# Altium PCB Stm32_pcb.PcbDoc (continued)
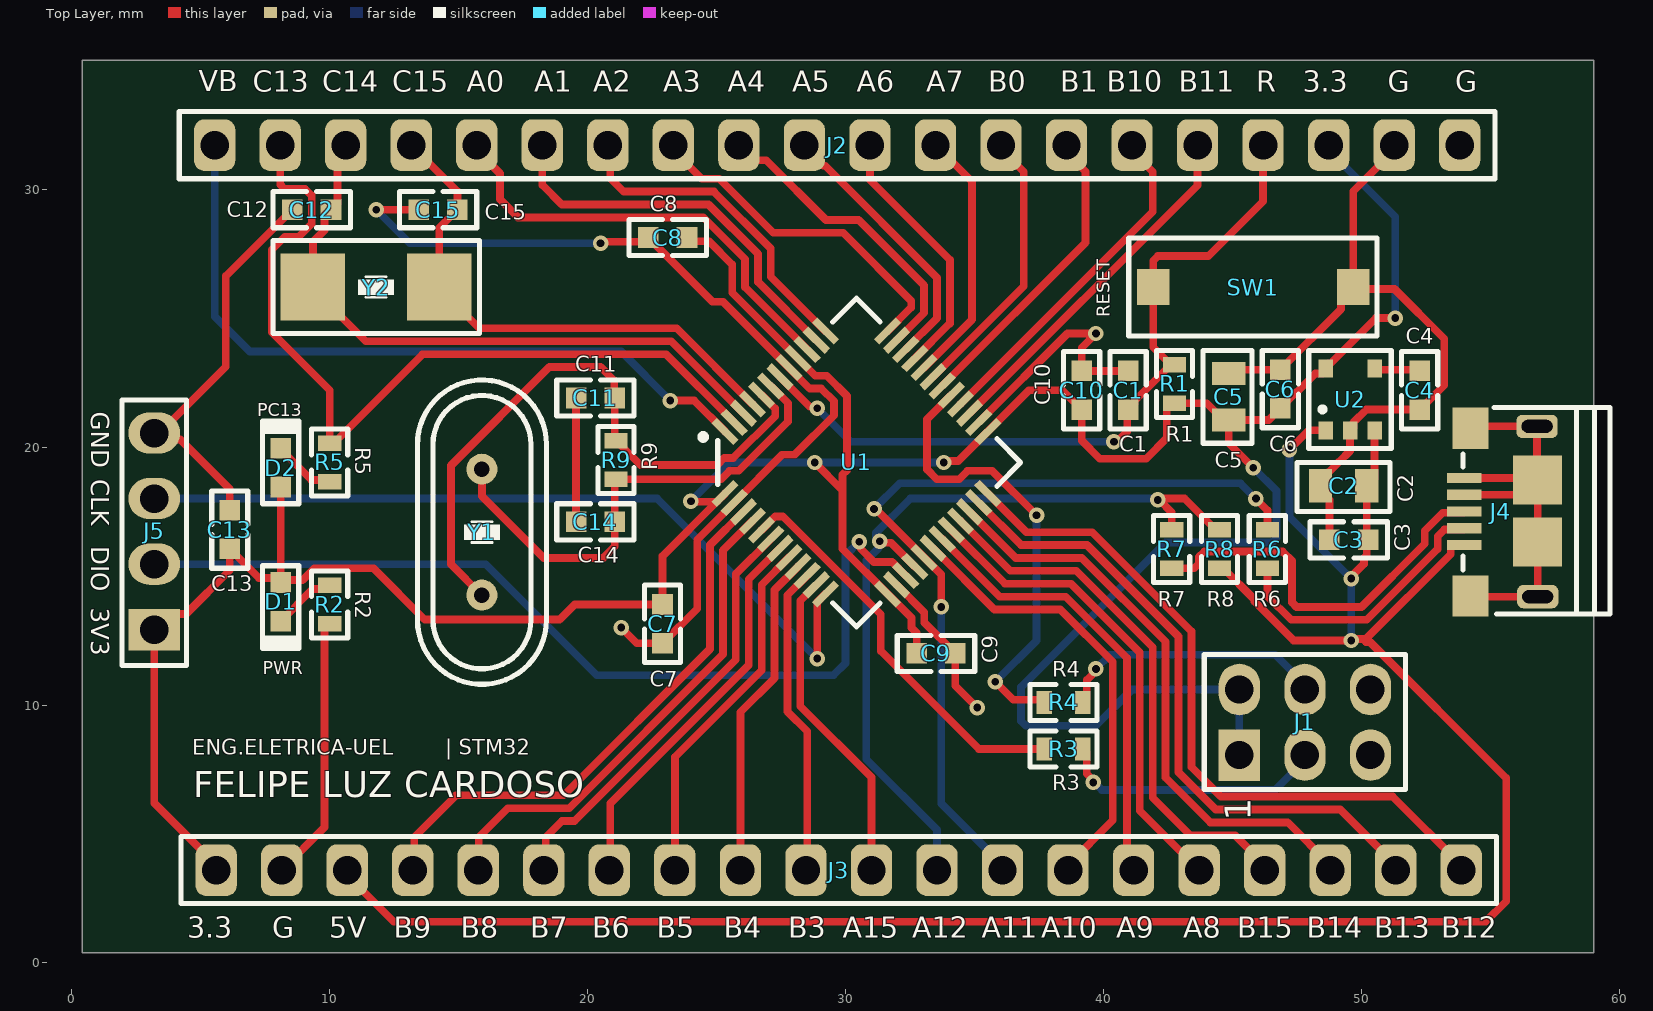
[diagram p0: Top Layer view]
## Part data (continued)
J5: library part HDR_1x4_2.54mm, "Conn Unshrouded Header HDR 4 POS 2.54mm Solder ST Top Entry Thru-Hole T/R", Color=Black, Current Rating=3A, Insulation Resistance=5GR, Manufacturer="Amphenol ICC / FCI", Manufacturer Part Number=77311-462K04LF, Max Operating Temperature=125°C, Max Voltage Rating (AC)=1.5kV, Min Operating Temperature=-65°C, Package Quantity=1400, Category="Headers and Wire Housings", ComponentLink1Description=https://datasheet.ciiva.com/739/77311-739277.pdf?src-supplier=Digi-Key, ComponentLink1URL=https://datasheet.ciiva.com/739/77311-739277.pdf?src-supplier=Digi-Key, ComponentLink2Description=https://datasheet.ciiva.com/739/77311-739280.pdf?src-supplier=Digi-Key, ComponentLink2URL=https://datasheet.ciiva.com/739/77311-739280.pdf?src-supplier=Digi-Key, ComponentLink3Description=https://datasheet.ciiva.com/10147/77311-10147511.pdf?src-supplier=Avnet, ComponentLink3URL=https://datasheet.ciiva.com/10147/77311-10147511.pdf?src-supplier=Avnet, Connector Type="Male Pin", Contact Gender=Male, Contact Material=Bronze, Contact Mating Length=0.531inch, Contact Plating=Tin, Contact Post Length=3.05mm, Contact Type="Male Pin", Depth=2.4mm, Gender=Male, Housing Color=Black, Housing Material=Thermoplastic, Lead Free="Lead Free", Length=10.16mm, Mount="Through Hole", Number of Contacts=4, Number of Positions=4, Number of Rows=1, Orientation=Straight, Packaging="Tape and Reel", Pitch=2.54mm, Radiation Hardening=No, RoHS=Yes, Series="BERGSTIK®, MezzSelect™, Basics+", Supplier 1="Arrow Electronics", Supplier Part Number 1=77311-462K04LF, Termination=Solder, Voltage Rating=1.5kV
R1: library part R_0603_10K, "Res Thin Film 0603 10K Ohm 0.5% 0.1W(1/10W) ±50ppm/C Epoxy SMD T/R", Case Code (Imperial)=0603, Case Code (Metric)=1608, Manufacturer=Yageo, Manufacturer Part Number=RT0603DRE0710KL, Max Operating Temperature=125°C, Max Power Dissipation=100mW, Min Operating Temperature=-55°C, Package Quantity=5000, Resistance=10kR, Resistor Type="Thin Film", Supplier Part Number 1=YAG2318CT-ND, Temperature Coefficient=50ppm/°C, Tolerance=0.5%, Voltage Rating=75V, Voltage Rating (DC)=50V, Case/Package=0603, Category="Chip SMD Resistors", ComponentLink1Description=https://datasheet.ciiva.com/2565/pyu-rt-1-to-0-05-rohs-l-5-2565939.pdf?src-supplier=Digi-Key, ComponentLink1URL=https://datasheet.ciiva.com/2565/pyu-rt-1-to-0-05-rohs-l-5-2565939.pdf?src-supplier=Digi-Key, Construction=Rectangular, Depth=0.8mm, Features="Moisture Resistant", Height=0.022inch, Lead Free="Lead Free", Length=0.063inch, Military Standard=Not, Number of Terminations=2, Packaging="Tape and Reel", Power Rating=100mW, Pricing 1="1=0,11000, 10=0,09600, 100=0,03700, 1000=0,01626, 2500=0,01404 (USD)", RoHS=Yes, RoHS Compliant=Yes, Series=RT, Size Code=0603, Stock 1=494, Supplier 1=Digi-Key, Termination=SMD/SMT, Width=0.031inch
R2 R5: library part R_0603_510r, "Res Thick Film 0603 510 Ohm 1% 1/10W 100ppm/C Molded SMD Paper T/R", Case Code (Imperial)=0603, Case Code (Metric)=1608, Manufacturer=Yageo, Manufacturer Part Number=RC0603FR-07510RL, Max Operating Temperature=155°C, Max Power Dissipation=100mW, Min Operating Temperature=-55°C, Resistance=510R, Resistance Tolerance=1%, Resistor Type="Thick Film", Supplier Part Number 1=311-510HRCT-ND, Temperature Coefficient=100ppm/°C, Voltage Rating=75V, Voltage Rating (DC)=50V, Case/Package=0603, Category="Chip SMD Resistors", ComponentLink1Description=https://datasheet.ciiva.com/11808/0900766b80f96399-11808268.pdf?src-supplier=RSComponents, ComponentLink1URL=https://datasheet.ciiva.com/11808/0900766b80f96399-11808268.pdf?src-supplier=RSComponents, ComponentLink2Description=https://datasheet.ciiva.com/46395/443971-46395013.pdf?src-supplier=Element14, ComponentLink2URL=https://datasheet.ciiva.com/46395/443971-46395013.pdf?src-supplier=Element14, ComponentLink3Description=https://datasheet.ciiva.com/8883/pyu-rc0603-51-rohs-l-4-8883078.pdf?src-supplier=Avnet, ComponentLink3URL=https://datasheet.ciiva.com/8883/pyu-rc0603-51-rohs-l-4-8883078.pdf?src-supplier=Avnet, Construction=Rectangular, Contact Plating=Tin,Matte, Depth=0.8mm, Features="Moisture Resistant", Height=0.45mm, Lead Free="Lead Free", Length=1.6mm, Military Standard=Not, Number of Pins=2, Number of Terminations=2, Packaging="Tape and Reel", Power Rating=100mW, Pricing 1="1=0,10000, 10=0,02300, 100=0,00930, 1000=0,00417, 2500=0,00362 (USD)", REACH SVHC="No SVHC", RoHS=Yes, RoHS Compliant=Yes, Series=RC, Size Code=0603, Stock 1=1855476, Supplier 1=Digi-Key, Technology="THICK FILM", Termination=SMD/SMT, Tolerance=1%, Weight=7.1E-05oz, Width=0.8mm
R3 R4: library part R_0603_100K, "RES SMD 100K OHM 1% 1/10W 0603", Case Code (Imperial)=0603, Case Code (Metric)=1608, Manufacturer=Yageo, Manufacturer Part Number=RC0603FR-07100KL, Max Operating Temperature=155°C, Max Power Dissipation=100mW, Min Operating Temperature=-55°C, Resistance=100kR, Resistance Tolerance=1%, Resistor Type="Thick Film", Supplier Part Number 1=311-100KHRCT-ND, Temperature Coefficient=100ppm/°C, Voltage Rating=50V, Working Voltage=75V, Case/Package=0603, Category="Chip SMD Resistors", ComponentLink1Description=https://datasheet.ciiva.com/11808/0900766b80f96399-11808107.pdf?src-supplier=RSComponents, ComponentLink1URL=https://datasheet.ciiva.com/11808/0900766b80f96399-11808107.pdf?src-supplier=RSComponents, ComponentLink2Description=https://datasheet.ciiva.com/7983/443971-7983593.pdf?src-supplier=Element14, ComponentLink2URL=https://datasheet.ciiva.com/7983/443971-7983593.pdf?src-supplier=Element14, ComponentLink3Description=https://datasheet.ciiva.com/22747/443971-22747516.pdf?src-supplier=Element14, ComponentLink3URL=https://datasheet.ciiva.com/22747/443971-22747516.pdf?src-supplier=Element14, ComponentLink4Description=https://datasheet.ciiva.com/46440/1868787-46440889.pdf?src-supplier=Element14, ComponentLink4URL=https://datasheet.ciiva.com/46440/1868787-46440889.pdf?src-supplier=Element14, ComponentLink5Description=https://datasheet.ciiva.com/7746/1738695-7746235.pdf?src-supplier=Element14, ComponentLink5URL=https://datasheet.ciiva.com/7746/1738695-7746235.pdf?src-supplier=Element14, ComponentLink6Description=https://datasheet.ciiva.com/7746/1738695-7746234.pdf?src-supplier=Element14, ComponentLink6URL=https://datasheet.ciiva.com/7746/1738695-7746234.pdf?src-supplier=Element14, Construction=Rectangular, Depth=0.8mm, Features="Moisture Resistant", Height=0.45mm, Lead Free="Lead Free", Length=1.6mm, Military Standard=Not, Number of Pins=2, Number of Terminations=2, Packaging="Tape and Reel", Power Rating=100mW, Pricing 1="1=0,10000, 10=0,02300, 100=0,00930, 1000=0,00417, 2500=0,00362 (USD)", REACH SVHC="No SVHC", RoHS=Yes, RoHS Compliant=Yes, Series=RC, Stock 1=18667121, Supplier 1=Digi-Key, Technology="THICK FILM", Termination=SMD/SMT, Tolerance=1%, Voltage Rating (DC)=50V, Width=0.8mm
R6 R7: library part R_0603_20r, "Res Thick Film 0603 20 Ohm 1% 0.1W(1/10W) ±100ppm/C Pad SMD T/R", Case Code (Imperial)=0603, Case Code (Metric)=1608, Manufacturer=Yageo, Manufacturer Part Number=RC0603FR-0720RL, Max Operating Temperature=155°C, Max Power Dissipation=100mW, Min Operating Temperature=-55°C, Package Quantity=1, Resistance=20R, Resistance Tolerance=1%, Resistor Type="Thick Film", Supplier Part Number 1=311-20.0HRCT-ND, Temperature Coefficient=100ppm/°C, Voltage Rating=50V, Working Voltage=75V, Case/Package=0603, Category="Chip SMD Resistors", ComponentLink1Description=https://datasheet.ciiva.com/11819/0900766b80f96399-11819290.pdf?src-supplier=RSComponents, ComponentLink1URL=https://datasheet.ciiva.com/11819/0900766b80f96399-11819290.pdf?src-supplier=RSComponents, ComponentLink2Description=https://datasheet.ciiva.com/46395/443971-46395031.pdf?src-supplier=Element14, ComponentLink2URL=https://datasheet.ciiva.com/46395/443971-46395031.pdf?src-supplier=Element14, ComponentLink3Description=https://datasheet.ciiva.com/2454/pyu-r-int-thick-7-2454028.pdf?src-supplier=Digi-Key, ComponentLink3URL=https://datasheet.ciiva.com/2454/pyu-r-int-thick-7-2454028.pdf?src-supplier=Digi-Key, ComponentLink4Description=https://datasheet.ciiva.com/2454/pyu-r-int-thick-7-2454029.pdf?src-supplier=Digi-Key, ComponentLink4URL=https://datasheet.ciiva.com/2454/pyu-r-int-thick-7-2454029.pdf?src-supplier=Digi-Key, ComponentLink5Description=https://datasheet.ciiva.com/2454/pyu-r-int-thick-7-2454027.pdf?src-supplier=Digi-Key, ComponentLink5URL=https://datasheet.ciiva.com/2454/pyu-r-int-thick-7-2454027.pdf?src-supplier=Digi-Key, ComponentLink6Description=https://datasheet.ciiva.com/12557/rc0603-272842-12557941.pdf?src-supplier=Mouser, ComponentLink6URL=https://datasheet.ciiva.com/12557/rc0603-272842-12557941.pdf?src-supplier=Mouser, ComponentLink7Description=https://datasheet.ciiva.com/15189/getdatasheetpartid-324013-15189653.pdf?src-supplier=Verical, ComponentLink7URL=https://datasheet.ciiva.com/15189/getdatasheetpartid-324013-15189653.pdf?src-supplier=Verical, Construction=Rectangular, Depth=0.8mm, Features="Moisture Resistant", Height=0.45mm, Lead Free="Lead Free", Length=1.6mm, Military Standard=Not, Number of Terminations=2, Packaging="Tape and Reel", Power Rating=100mW, Pricing 1="1=0,10000, 10=0,02300, 100=0,00930, 1000=0,00417, 2500=0,00362 (USD)", REACH SVHC="No SVHC", RoHS=Yes, RoHS Compliant=Yes, Series=RC, Stock 1=807169, Supplier 1=Digi-Key, Technology="THICK FILM", Termination=SMD/SMT, Tolerance=1%, Voltage Rating (DC)=50V, Width=0.8mm
R8: library part R_0603_1,5k, "Res Thin Film 0603 1.5K Ohm 0.1% 1/10W ±25ppm/°C 0.01% Molded SMD SMD Waffle Pack", Case Code (Imperial)=0603, Case Code (Metric)=1608, Manufacturer="Vishay Dale", Manufacturer Part Number=M55342E12B1B50RWS, Max Operating Temperature=150°C, Max Power Dissipation=100mW, Min Operating Temperature=-55°C, Package Quantity=1, Resistance=1.5kR, Resistor Type="Thin Film", Supplier Part Number 1=M55342E12B1B50RWS-MIL, Temperature Coefficient=25ppm/°C, Tolerance=0.1%, Case/Package=0603, Category="Chip SMD Resistors", ComponentLink1Description=https://datasheet.ciiva.com/14991/eh-14991606.pdf?src-supplier=Digi-Key, ComponentLink1URL=https://datasheet.ciiva.com/14991/eh-14991606.pdf?src-supplier=Digi-Key, Contact Plating=Tin,Lead, Failure Rate=0.01%, Features=Military, Height=0.033inch, Length=0.064inch, Military Standard=MIL-PRF-55342, Number of Terminations=2, Packaging=Waffle, Radiation Hardening=No, RoHS=No, RoHS Compliant=No, Series="Military, MIL-PRF-55342, RM0603", Supplier 1=Digi-Key, Width=0.032inch
R9: library part R_0603_1M, "Res Thick Film 0603 1M Ohm 1% 1/10W ±100ppm/°C Molded SMD Paper T/R", Case Code (Imperial)=0603, Case Code (Metric)=1608, Manufacturer=Yageo, Manufacturer Part Number=RC0603FR-071ML, Max Operating Temperature=155°C, Min Operating Temperature=-55°C, Package Quantity=5000, Power Rating=100mW, Resistance=1MR, Resistor Type="Thick Film", Supplier Part Number 1=311-1.00MHRCT-ND, Temperature Coefficient=100ppm/°C, Tolerance=1%, Voltage Rating=75V, Voltage Rating (DC)=50V, Application(s)="HIGH RELIABILITY", Case/Package=0603, Category="Chip SMD Resistors", ComponentLink1Description=https://datasheet.ciiva.com/11819/0900766b80f96399-11819295.pdf?src-supplier=RSComponents, ComponentLink1URL=https://datasheet.ciiva.com/11819/0900766b80f96399-11819295.pdf?src-supplier=RSComponents, ComponentLink2Description=https://datasheet.ciiva.com/7983/443971-7983614.pdf?src-supplier=Element14, ComponentLink2URL=https://datasheet.ciiva.com/7983/443971-7983614.pdf?src-supplier=Element14, ComponentLink3Description=https://datasheet.ciiva.com/12555/rc0603-272842-12555388.pdf?src-supplier=Mouser, ComponentLink3URL=https://datasheet.ciiva.com/12555/rc0603-272842-12555388.pdf?src-supplier=Mouser, Depth=0.8mm, Height=0.45mm, Lead Free="Lead Free", Length=1.6mm, Military Standard=Not, Number of Pins=2, Packaging="Cut Tape", Pricing 1="1=0,10000, 10=0,02300, 100=0,00930, 1000=0,00417, 2500=0,00362 (USD)", REACH SVHC="No SVHC", RoHS=Yes, RoHS Compliant=Yes, Series=RC, Stock 1=2868696, Supplier 1=Digi-Key, Technology="THICK FILM", Termination=SMD/SMT, Type="General Purpose", Weight=0.000847oz, Width=0.8mm
SW1: library part "Button N/O", "Switch Tactile N.O. SPST Rectangular Button F-Lead 0.05A 12VDC 2.45N SMD T/R", Manufacturer="ITT C&K", Manufacturer Part Number=PTS636SK25FSMTRLFS, Supplier Part Number 1=CKN12330-1-ND, Pricing 1="1=0,18000, 10=0,17400, 25=0,16480, 100=0,14980, 250=0,14080, 500=0,12882, 1000=0,10786 (USD)", RoHS=No, Stock 1=25598, Supplier 1=Digi-Key
U1: "IC MCU 32BIT 64KB FLASH 48LQFP", Case/Package=LQFP, Frequency=72MHz, Manufacturer=STMicroelectronics, Max Operating Temperature=85°C, Max Power Dissipation=363mW, Max Supply Voltage=3.6V, Min Operating Temperature=-40°C, Min Supply Voltage=2V, Package Quantity=1500, Supplier Part Number 1=497-6063-ND, Address Bus Width=32b, Category=Microcontrollers, ComponentLink1Description=https://datasheet.ciiva.com/15122/getdatasheetpartid-69880-15122076.pdf?src-supplier=Verical, ComponentLink1URL=https://datasheet.ciiva.com/15122/getdatasheetpartid-69880-15122076.pdf?src-supplier=Verical, ComponentLink2Description=https://datasheet.ciiva.com/8054/1730126-8054942.pdf?src-supplier=Element14, ComponentLink2URL=https://datasheet.ciiva.com/8054/1730126-8054942.pdf?src-supplier=Element14, ComponentLink3Description=https://datasheet.ciiva.com/14100/pustm-arm-microcont-stm32f103-en-14100508.pdf?src-supplier=Distrelec, ComponentLink3URL=https://datasheet.ciiva.com/14100/pustm-arm-microcont-stm32f103-en-14100508.pdf?src-supplier=Distrelec, ComponentLink4Description=https://datasheet.ciiva.com/16210/cd00161566-16210248.pdf?src-supplier=Future+Electronics, ComponentLink4URL=https://datasheet.ciiva.com/16210/cd00161566-16210248.pdf?src-supplier=Future+Electronics, ComponentLink5Description=https://datasheet.ciiva.com/48687/001075658-da-01-en-mcu-64kb-mem-stm32f103c8t6-lqfp-48-stm-48687589.pdf?src-supplier=Conrad, ComponentLink5URL=https://datasheet.ciiva.com/48687/001075658-da-01-en-mcu-64kb-mem-stm32f103c8t6-lqfp-48-stm-48687589.pdf?src-supplier=Conrad, Core Architecture=ARM, Data Bus Width=32b, Density=64KB, Height=1.4mm, Interface=I2C,SPI,USB,CAN,USART, Lead Free="Lead Free", Length=7mm, Manufacturer Part Number=STM32F103C8T6, Max Frequency=72MHz, Memory Size=64KB, Memory Type=FLASH, Number of ADC Channels=10, Number of Bits=32, Number of I2C Channels=2, Number of I/Os=37, Number of Pins=48, Number of Programmable I/O=48, Number of PWM Channels=1, Number of SPI Channels=2, Number of Timers/Counters=3, Oscillator Type=Internal, Packaging=Tray, Peripherals="POR,PWM,WDT,DMA,Temp Sensor,I2C", Radiation Hardening=No, RAM Size=20KB, REACH SVHC="No SVHC", RoHS=Yes, RoHS Compliant=Yes, Series=STM32F103C8, Supplier 1=Digi-Key, Termination=SMD/SMT, Watchdog Timer=Yes, Weight=0.006349oz, Width=7mm
U2: "IC REG LDO 3.3V 0.3A SOT23-5", Case/Package=SOT-23-5, Dropout Voltage=220mV, Manufacturer=Richtek, Max Input Voltage=5.5V, Max Operating Temperature=125°C, Min Current Limit=360mA, Min Input Voltage=2.5V, Min Operating Temperature=-40°C, Nominal Output Voltage=3.3V, Output Current=300mA, Supplier Part Number 1=1028-1014-1-ND, Category="Voltage Regulators - Linear", ComponentLink1Description=https://datasheet.ciiva.com/2046/3d3futf-83fb3frfm5mtkzlte2lnbkzg3d3d3f3d-2046896.pdf?src-supplier=Digi-Key, ComponentLink1URL=https://datasheet.ciiva.com/2046/3d3futf-83fb3frfm5mtkzlte2lnbkzg3d3d3f3d-2046896.pdf?src-supplier=Digi-Key, ComponentLink2Description=https://datasheet.ciiva.com/28652/1782157-28652989.pdf?src-supplier=Element14, ComponentLink2URL=https://datasheet.ciiva.com/28652/1782157-28652989.pdf?src-supplier=Element14, Lead Free="Lead Free", Manufacturer Part Number=RT9193-33GB, Mount="Surface Mount", Number of Pins=5, Number of Regulators=1, Output Voltage=3.3V, Packaging="Tape and Reel", Pricing 1="1=0,50000, 10=0,40900, 25=0,37360, 100=0,27810, 250=0,25208, 500=0,20860, 1000=0,15646 (USD)", REACH SVHC=Unknown, RoHS=Yes, RoHS Compliant=Yes, Series=-, Stock 1=13168, Supplier 1=Digi-Key
Y1: library part CK_8Mhz, "Crystal 8MHz ±20ppm (Tol) ±50ppm (Stability) 18pF FUND 80Ohm 2-Pin HC-49/US Thru-Hole Bulk", ESR (Equivalent Series Resistance)=80R, Frequency=8MHz, Frequency Stability=50ppm, Frequency Tolerance=20ppm, Load Capacitance=18pF, Manufacturer=Abracon, Manufacturer Part Number=ABL-8.000MHZ-B2, Max Operating Temperature=70°C, Min Operating Temperature=-20°C, Operating Frequency="8 MHz", Package Quantity=1000, Supplier Part Number 1=535-9062-ND, Category=Resonators, ComponentLink1Description=https://datasheet.ciiva.com/862/abl-862079.pdf?src-supplier=Digi-Key, ComponentLink1URL=https://datasheet.ciiva.com/862/abl-862079.pdf?src-supplier=Digi-Key, ComponentLink2Description=https://datasheet.ciiva.com/7998/1359171-7998413.pdf?src-supplier=Element14, ComponentLink2URL=https://datasheet.ciiva.com/7998/1359171-7998413.pdf?src-supplier=Element14, Height=0.138inch, Lead Free="Lead Free", Length=0.453inch, Mount="Through Hole", Number of Pins=2, Packaging=Bulk, Pricing 1="1=0,33000, 10=0,27800, 50=0,25000, 100=0,22220, 500=0,21108, 1000=0,17776, 2500=0,16665, 5000=0,16110, 10000=0,15554 (USD)", Radiation Hardening=No, REACH SVHC="No SVHC", RoHS=Yes, Series=ABL, Series Resistance=80R, Stock 1=22979, Supplier 1=Digi-Key, Termination=Radial, Tolerance=20ppm, Width=0.197inch
Y2: library part CK_32.768Khz, "Crystal, Plastic Molded 32.768Khz, 6Pf, 10Ppm-40+85C, 8 X 3.8 X 2.5 Rohs Compliant: Yes", Case/Package=SMD/SMT, ESR (Equivalent Series Resistance)=50kR, Frequency=32.768kHz, Frequency Tolerance=10ppm, Load Capacitance=6pF, Manufacturer=Abracon, Manufacturer Part Number=ABS25-32.768KHZ-6-1-T, Max Operating Temperature=85°C, Min Operating Temperature=-40°C, Operating Frequency="32.768 kHz", Package Quantity=3000, Supplier Part Number 1=535-10241-1-ND, Category=Crystals, ComponentLink1Description=https://datasheet.ciiva.com/854/abs25-854528.pdf?src-supplier=Avnet, ComponentLink1URL=https://datasheet.ciiva.com/854/abs25-854528.pdf?src-supplier=Avnet, ComponentLink2Description=https://datasheet.ciiva.com/854/abs25-854872.pdf?src-supplier=Digi-Key, ComponentLink2URL=https://datasheet.ciiva.com/854/abs25-854872.pdf?src-supplier=Digi-Key, ComponentLink3Description=https://datasheet.ciiva.com/854/abs25-854873.pdf?src-supplier=Digi-Key, ComponentLink3URL=https://datasheet.ciiva.com/854/abs25-854873.pdf?src-supplier=Digi-Key, ComponentLink4Description=https://datasheet.ciiva.com/854/abs25-854874.pdf?src-supplier=Digi-Key, ComponentLink4URL=https://datasheet.ciiva.com/854/abs25-854874.pdf?src-supplier=Digi-Key, ComponentLink5Description=https://datasheet.ciiva.com/4944/abs25-35653-4944891.pdf?src-supplier=Mouser, ComponentLink5URL=https://datasheet.ciiva.com/4944/abs25-35653-4944891.pdf?src-supplier=Mouser, ComponentLink6Description=https://datasheet.ciiva.com/16416/abs25-16416758.pdf?src-supplier=Future+Electronics, ComponentLink6URL=https://datasheet.ciiva.com/16416/abs25-16416758.pdf?src-supplier=Future+Electronics, ComponentLink7Description=https://datasheet.ciiva.com/1357/1856019-1357323.pdf?src-supplier=Element14, ComponentLink7URL=https://datasheet.ciiva.com/1357/1856019-1357323.pdf?src-supplier=Element14, Depth=3.8mm, Height=0.098inch, Lead Free="Lead Free", Length=8mm, Mount="Surface Mount", Number of Pins=4, Packaging="Tape and Reel", Pricing 1="1=1,26000, 10=1,20600, 50=1,17800, 100=1,00980, 500=0,98176, 1000=0,82748 (USD)", Radiation Hardening=No, REACH SVHC="No SVHC", RoHS=Yes, RoHS Compliant=Yes, Series=ABS25, Series Resistance=50kR, Stock 1=153989, Supplier 1=Digi-Key, Termination=SMD/SMT, Tolerance=10ppm, Width=0.15inch

## Via types
v1: diameter 0.6, hole 0.3, Top Layer to Bottom Layer, 27 vias

## Nets (pads, with @x,y where several pads share a name; then routed paths per layer and width w, separated by ;. In a path a pad name is that pad's centre, name@x,y a point inside that pad or via, vN(x,y) a via of type N, cw(c..) or ccw(c..) an arc to the next point about the centre after c; other vN are vias at no path point)
+5: C2.2 C3.2 J3.3 J4.1 R8.1 U2.1 U2.3 | length 87.1
  Top Layer w0.3: J3.3 10.68,3.4 12.48,1.6 54.8,1.6 55.6,2.4 55.6,7.166 50.324,12.443 50.165,12.443 ; R8.1 44.641,15.296 45.847,14.09 45.847,14.014 47.362,12.5 v1(49.6,12.5) 49.657,12.557 50.165,12.557 53.45,15.843 53.45,16.15 J4.1@53.925,16.15 ; v1(47.2,19.9) 47.946,20.646 U2.1 ; v1(49.6,14.9) 49.6,14.981 50.089,15.47 50.089,15.684 50.2,15.795 C2.2 50.499,18.799 U2.3
  Bottom Layer w0.3: v1(47.2,19.9) 47.2,17.3 v1(49.6,14.9) v1(49.6,12.5)
BOOT0: R3.1 U1.44 | length 15.7
  Top Layer w0.3: U1.44 27.267,17.31 27.557,17.31 31.357,13.51 31.357,12.098 35.157,8.298 R3.1
BOOT0_R: J1.3 R3.2 | length 10.5
  Top Layer w0.3: R3.2 39.346,8.148 39.346,7.335 39.6,7.081 v1(39.6,7)
  Bottom Layer w0.3: v1(39.6,7) 39.636,7 39.926,6.71 46.65,6.71 47.8,7.86 J1.3
BOOT1: R4.2 U1.20 | length 17.9
  Top Layer w0.3: U1.20 33.15,21.072 33.15,19.131 33.531,18.75 34.397,18.75 34.725,19.078 35.672,19.078 v1(37.4,17.35) ; v1(35.8,10.9) 36.5,10.2 37.594,10.2 R4.2
  Bottom Layer w0.3: v1(35.8,10.9) 37.4,12.5 v1(37.4,17.35)
BOOT1_R: J1.4 R4.1 | length 10.5
  Top Layer w0.3: R4.1 39.346,10.248 39.346,10.965 39.7,11.319 v1(39.7,11.4)
  Bottom Layer w0.3: v1(39.7,11.4) 40.25,11.95 46.65,11.95 47.8,10.8 J1.4
BP_C: C4.2 U2.4 | length 1.8
  Top Layer w0.3: U2.4 50.547,22.998 52.202,22.998 C4.2
D+_R: J4.3 R7.1 | length 15.4
  Top Layer w0.3: R7.1 43.516,15.296 43.691,15.471 43.691,15.741 43.897,15.946 46.941,15.946 47.3,15.586 47.3,13.976 47.476,13.8 49.993,13.8 52.45,16.257 52.45,16.752 53.148,17.45 53.274,17.45 53.925,17.45 J4.3
D-_R: J4.2 R6.1 | length 10.8
  Top Layer w0.3: R6.1 R6.1 46.347,14.221 47.269,13.3 50.2,13.3 52.95,16.05 52.95,16.545 53.205,16.8 53.925,16.8 J4.2
GND: C1.1 C2.1 C3.1 C4.1 C5.1 C6.1 C7.1 C8.1 C9.1 C10.1 C12.1 C13.1 C15.1 J1.5 J1.6 J2.19 J2.20 J3.2 J4.4 J4.5 J4.6 J4.7 J4.8 J4.9 J4.10 J4.11 J5.4 R2.2 SW1.1 U1.8 U1.23 U1.35 U1.47 U2.2 | length 124.3
  Top Layer w0.3: C13.1 6.126,18.374 4.209,20.291 3.449,20.291 J5.4 3.4,20.54 5.974,23.114 5.974,26.624 C12.1 ; J3.2 9.8,5.26 9.8,13 9.95,13.15 R2.2 ; v1(11.8,29.2) C15.1@13.45,29.2 ; v1(20.5,27.9) 20.557,27.957 22.187,27.957 C8.1 24.838,25.633 25.245,25.633 U1.8 28.614,22.264 29.055,22.264 29.55,21.769 29.55,21.231 28.016,19.697 27.532,19.697 U1.47 24.243,16.407 24.243,13.738 C7.1 21.905,12.395 v1(21.3,13) ; U1.35 33.05,13.586 33.05,13.2 C9.1 34.25,10.75 v1(35.1,9.9) ; U1.23 38.599,24.4 v1(39.7,24.4) 39.148,23.848 C10.1 C1.1 ; C5.1 44.999,22.996 C6.1 49.2,25.347 49.2,25.65 49.675,26.125 SW1.1@49.75,26.125 ; C3.1 48.75,17.95 48.4,18.3 C2.1 48.4,18.7 49.124,19.424 49.128,19.424 49.549,19.846 U2.2 49.679,20.776 49.679,20.951 50.179,21.45 C4.1 53.2,22.4 53.2,24.2 51.275,26.125 SW1.1@49.75,26.125 ; J2.19 51.26,31.5 49.675,29.915 SW1.1 SW1.1@49.75,26.125 ; J4.4 56.25,18.15 J4.11 ; J4.5 56.75,18.8 J4.11@56.8,18.75 ; J4.6 54.25,14.2 J4.8 J4.10 J4.11 ; J4.7 54.3,20.8 J4.9 J4.11@56.8,18.75 ; J4.11@56.8,18.75 J4.11
  Bottom Layer w0.3: v1(11.8,29.2) 13.1,27.9 v1(20.5,27.9)
NetC11_1: C11.1 C14.1 | length 4.8
  Top Layer w0.3: C14.1 C11.1
OSCIN: C11.2 R9.2 U1.5 Y1.2 | length 24.4
  Top Layer w0.3: Y1.2 14.7,15.46 14.7,19.284 18.516,23.1 20.5,23.1 21.026,22.574 21.026,21.925 C11.2 21.05,20.3 R9.2 22.05,19.3 25.014,19.3 25.292,19.578 25.646,19.578 27.267,21.2 27.267,21.49 U1.5
OSCOUT: C14.2 R9.1 U1.6 Y1.1 | length 19.2
  Top Layer w0.3: Y1.1 15.9,18.1 18.3,15.7 20.6,15.7 21.05,16.15 C14.2 21.05,18.7 R9.1 25.171,18.75 25.5,19.078 25.853,19.078 27.767,20.992 27.767,21.697 U1.6
PA0: J2.5 U1.10 | length 17.4
  Top Layer w0.3: J2.5 15.7,31.5 16.6,30.6 16.6,29.6 17.3,28.9 24.478,28.9 26.1,27.278 26.1,26.192 U1.10
PA1: J2.6 U1.11 | length 15.3
  Top Layer w0.3: J2.6 18.24,30.16 19,29.4 24.685,29.4 26.6,27.485 26.6,26.399 U1.11
PA2: J2.7 U1.12 | length 12.7
  Top Layer w0.3: J2.7 20.874,31.606 20.874,30.426 21.4,29.9 24.892,29.9 27.1,27.692 27.1,26.607 U1.12
PA3: J2.8 U1.13 | length 13.4
  Top Layer w0.3: J2.8 23.32,31.5 24.42,30.4 25.099,30.4 27.199,28.3 29.9,28.3 32.54,25.66 32.54,25.412 U1.13
PA4: J2.9 U1.14 | length 12
  Top Layer w0.3: J2.9 26.441,31.119 26.92,31.119 29.239,28.8 30.5,28.8 33.04,26.26 33.04,25.204 U1.14
PA5: J2.10 U1.15 | length 10.6
  Top Layer w0.3: J2.10 28.4,31.635 29.136,30.899 29.201,30.899 33.54,26.56 33.54,24.997 U1.15
PA6: J2.11 U1.16 | length 10.1
  Top Layer w0.3: J2.11 30.94,30.36 34.04,27.26 34.04,24.79 U1.16
PA7: J2.12 U1.17 | length 10
  Top Layer w0.3: U1.17 34.9,24.943 34.9,30.28 J2.12
PA8: J3.16 U1.29 | length 18.7
  Top Layer w0.3: U1.29 36.178,14.7 38.733,14.7 41.4,12.033 41.4,5.9 J3.16
PA9: J3.15 U1.30 | length 17.4
  Top Layer w0.3: U1.30 35.971,14.2 38.526,14.2 40.9,11.826 40.9,3.86 J3.15
PA10: J3.14 U1.31 | length 17.6
  Top Layer w0.3: U1.31 35.764,13.7 38.319,13.7 40.35,11.669 40.35,5.53 38.62,3.8 J3.14
PA11: J3.13 R6.2 U1.32 | length 32.9
  Top Layer w0.3: v1(31.1,17.6) 31.157,17.6 U1.32 33.7,15.057 v1(33.7,13.8) ; v1(45.9,18) 45.9,17.991 46.346,17.546 R6.2
  Bottom Layer w0.3: v1(31.1,17.6) 32.1,18.6 45.3,18.6 v1(45.9,18) ; v1(33.7,13.8) 33.7,6.18 36.08,3.8 J3.13
PA12: J3.12 R7.2 R8.2 U1.33 | length 32
  Top Layer w0.3: v1(31.323,16.35) 31.381,16.292 31.757,16.292 U1.33 ; v1(42.1,17.95) 42.15,17.95 42.637,17.463 R7.2 ; v1@42.1,18 43.137,18 44.341,16.796 R8.2
  Bottom Layer w0.3: v1@31.174,16.35 31.174,16.674 32.5,18 40.926,18 42.05,18 v1(42.1,17.95) ; v1(31.323,16.35) 31.266,16.292 31.266,16.066 30.8,15.6 30.8,7.9 33.54,5.16 J3.12
PA15: J3.11 U1.38 | length 12.5
  Top Layer w0.3: U1.38 28.243,14.043 28.243,9.957 31,7.2 J3.11
PB0: J2.13 U1.18 | length 10.8
  Top Layer w0.3: U1.18 36.9,26.236 36.9,30.674 36.02,31.554 J2.13
PB1: J2.14 U1.19 | length 11.9
  Top Layer w0.3: U1.19 39.3,27.929 39.3,30.674 38.56,31.414 J2.14
PB3: J3.10 U1.39 | length 12.1
  Top Layer w0.3: J3.10 28.508,3.648 28.508,8.985 27.743,9.75 27.743,14.25 U1.39
PB4: J3.9 U1.40 | length 12.7
  Top Layer w0.3: J3.9 25.92,9.72 27.243,11.043 27.243,14.457 U1.40
PB5: J3.8 U1.41 | length 14
  Top Layer w0.3: J3.8 23.38,7.98 26.743,11.343 26.743,14.664 U1.41
PB6: J3.7 U1.42 | length 15.2
  Top Layer w0.3: J3.7 20.874,3.634 20.874,6.181 26.243,11.55 26.243,14.872 U1.42
PB7: J3.6 U1.43 | length 17
  Top Layer w0.3: J3.6 18.03,3.87 18.374,4.214 18.374,4.874 19,5.5 19.486,5.5 25.743,11.757 25.743,15.079 U1.43
PB8: J3.5 U1.45 | length 19.3
  Top Layer w0.3: J3.5 15.774,3.614 15.774,4.874 16.9,6 19.279,6 25.243,11.964 25.243,15.993 U1.45
PB9: J3.4 U1.46 | length 21.6
  Top Layer w0.3: J3.4 13.274,3.654 13.274,4.874 14.9,6.5 19.072,6.5 24.743,12.171 24.743,16.2 U1.46
PB10: J2.15 U1.21 | length 13.5
  Top Layer w0.3: U1.21 41.9,29.115 41.9,30.674 41.1,31.474 J2.15
PB11: J2.16 U1.22 | length 14.1
  Top Layer w0.3: U1.22 43.64,30.148 J2.16
PB12: J3.20 U1.25 | length 27.6
  Top Layer w0.3: U1.25 37.007,16.7 39.562,16.7 43.4,12.862 43.4,7.6 44.55,6.45 51.21,6.45 53.86,3.8 J3.20
PB13: J3.19 U1.26 | length 25.3
  Top Layer w0.3: U1.26 36.799,16.2 39.355,16.2 42.9,12.655 42.9,7.393 44.343,5.95 49.17,5.95 51.32,3.8 J3.19
PB14: J3.18 U1.27 | length 22.9
  Top Layer w0.3: U1.27 36.592,15.7 39.148,15.7 42.4,12.448 42.4,7.186 44.136,5.45 47.13,5.45 48.78,3.8 J3.18
PB15: J3.17 U1.28 | length 20.9
  Top Layer w0.3: U1.28 36.385,15.2 38.941,15.2 41.9,12.241 41.9,6.411 43.361,4.95 45.09,4.95 46.24,3.8 J3.17
PC13: J2.2 R5.2 U1.2 | length 32.6
  Top Layer w0.3: J2.2 8.08,30.173 8.256,29.998 9.047,29.998 9.3,29.745 9.3,28.655 8.795,28.15 8.255,28.15 7.75,27.645 7.75,24.45 10,22.2 R5.2 10.15,20.15 13.6,23.6 23.036,23.6 U1.2
PC13_R: D2.1 R5.1 | length 2.5
  Top Layer w0.3: D2.1 8.35,19.7 8.35,19.662 9.288,18.724 9.926,18.724 R5.1
PC14: C12.2 J2.3 U1.3 Y2.2 | length 24.8
  Top Layer w0.3: J2.3 10.3,31.38 10.3,29.45 9.8,28.95 9.8,28.4 9.35,27.95 9.35,26.15 11.4,24.1 23.243,24.1 U1.3
PC15: C15.2 J2.4 U1.4 Y2.1 | length 20.6
  Top Layer w0.3: J2.4 13.16,31.635 13.791,31.004 13.856,31.004 14.95,29.91 C15.2 14.25,28.5 14.25,26.15 15.8,24.6 23.45,24.6 U1.4
PWR_R: D1.1 R2.1 | length 2.5
  Top Layer w0.3: D1.1 9.35,14.5 9.85,14.5 R2.1
RESET: C1.2 J2.17 R1.1 SW1.2 U1.7 | length 29.8
  Top Layer w0.3: U1.7 28.614,21.557 28.843,21.557 v1(28.9,21.5) ; v1(40.4,20.2) 40.457,20.257 40.576,20.257 40.919,20.6 40.919,21.42 C1.2 41.198,21.7 41.198,21.795 R1.1@42.599,23.196 ; R1.1 R1.1@42.599,23.196 ; J2.17 46.18,29.53 44.05,27.4 42.101,27.4 41.925,27.224 SW1.2 41.925,23.869 R1.1@42.599,23.196
  Bottom Layer w0.3: v1(28.9,21.5) 30.2,20.2 31.1,20.2 v1(40.4,20.2)
SWDCLK: J5.3 U1.37 | length 30.9
  Top Layer w0.3: v1(28.9,11.8) 28.897,11.803 28.897,13.991 U1.37
  Bottom Layer w0.3: J5.3 22.7,18 v1(28.9,11.8)
SWDIO: J5.2 U1.34 | length 36.2
  Top Layer w0.3: v1(30.524,16.324) 30.581,16.266 30.581,16.054 31.093,15.543 31.8,15.543 U1.34
  Bottom Layer w0.3: J5.2 16.044,15.46 20.354,11.15 29.524,11.15 29.993,11.619 29.993,15.793 v1(30.524,16.324)
VBAT: J2.1 U1.1 | length 28.3
  Top Layer w0.3: v1(23.2,21.8) 24.128,21.8 U1.1
  Bottom Layer w0.3: J2.1 5.54,25.06 6.9,23.7 21.3,23.7 v1(23.2,21.8)
VCC3V3: C5.2 C6.2 C7.2 C8.2 C9.2 C10.2 C13.2 D1.2 D2.2 J1.1 J1.2 J2.18 J3.1 J5.1 R1.2 U1.9 U1.24 U1.36 U1.48 U2.5 | length 138.6
  Top Layer w0.3: J3.1 5.6,3.8 3.2,6.2 J5.1 3.808,13.528 4.428,13.528 6.126,15.226 C13.2 7.25,14.926 7.924,14.926 D1.2 ; D2.2 D1.2 ; C8.2 23.999,27.971 24.7,27.971 25.6,27.071 25.6,25.985 28.821,22.764 29.262,22.764 30.05,21.976 30.05,19.104 29.874,18.927 29.874,18.326 ; v1(24,17.9) 24.02,17.88 U1.48@25.008,17.88 ; U1.48 U1.48@25.008,17.88 ; v1(28.8,19.4) 29.874,18.326 ; C9.2 32.75,12.793 32.55,12.993 32.55,13.378 U1.36 29.874,16.055 29.874,18.326 ; v1(33.8,19.4) 33.857,19.457 34.364,19.457 U1.24 37.107,22.2 38.398,22.2 C10.2 39.148,20.252 39.85,19.55 41.65,19.55 42.449,20.349 42.449,21.546 42.599,21.696 R1.2 43.999,21.696 44.649,21.046 C5.2 ; v1(45.8,19.2) 44.849,20.151 C5.2 ; v1(51.3,25) 51.296,24.996 50.55,24.996 48.799,23.246 48.729,23.246 48.599,23.116 U2.5 48.599,22.976 48.469,22.846 48.199,22.846 C6.2 46.399,21.046 C5.2 ; D1.2 8.195,14.845 8.95,14.845 9.405,15.3 11.7,15.3 13.69,13.31 18.908,13.31 19.494,13.895 C7.2 22.9,15.772 U1.48@25.008,17.88
  Bottom Layer w0.3: v1(24,17.9) 25.5,19.4 v1(28.8,19.4) v1(33.8,19.4) ; J1.1 J1.2 41.1,10.6 39.7,9.2 36.976,9.2 36.8,9.376 36.8,10.7 42.4,16.3 46.524,16.3 46.7,16.476 46.7,18.3 v1(45.8,19.2) ; J2.18 48.72,31.5 51.3,28.92 v1(51.3,25)

## Polygon pours and split planes (outlines as drawn)
GND on Bottom Layer "GND_L02_P000" (solid, pour order 0): 2,33 57,33 57,2 2,2

## Silkscreen, mask and mechanical layers (free items; w line width, h text height)
Top Overlay:
  text "ENG.ELETRICA-UEL" at 4.67,8.07 h0.6
  text "| STM32" at 14.47,8.07 h0.6
  text "FELIPE LUZ CARDOSO" at 4.72,6.42 h1

## Text inside footprints (layer, text, board x,y; h text height)
J1: Top Overlay "1" at 45.706,5.514 h1 r90
J2: Assembly Notes "VB" at 4.92,33.78 h0.8; Assembly Notes "C13" at 7.02,33.78 h0.8; Assembly Notes "C14" at 9.72,33.78 h0.8; Assembly Notes "C15" at 12.42,33.78 h0.8; Assembly Notes "A0" at 15.32,33.78 h0.8; Assembly Notes "A1" at 17.92,33.78 h0.8; Assembly Notes "A2" at 20.22,33.78 h0.8; Assembly Notes "A3" at 22.92,33.78 h0.8; Assembly Notes "A4" at 25.42,33.78 h0.8; Assembly Notes "A5" at 27.92,33.78 h0.8; Assembly Notes "A6" at 30.42,33.78 h0.8; Assembly Notes "A7" at 33.12,33.78 h0.8; Assembly Notes "B0" at 35.52,33.78 h0.8; Assembly Notes "B1" at 38.32,33.78 h0.8; Assembly Notes "B10" at 40.12,33.78 h0.8; Assembly Notes "B11" at 42.92,33.78 h0.8; Assembly Notes "R" at 45.92,33.78 h0.8; Assembly Notes "3.3" at 47.72,33.78 h0.8; Assembly Notes "G" at 51.02,33.78 h0.8; Assembly Notes "G" at 53.62,33.78 h0.8; Top Overlay "A5" at 27.92,33.78 h0.8; Top Overlay "A2" at 20.22,33.78 h0.8; Top Overlay "A3" at 22.92,33.78 h0.8; Top Overlay "A4" at 25.42,33.78 h0.8; Top Overlay "A6" at 30.42,33.78 h0.8; Top Overlay "A7" at 33.12,33.78 h0.8; Top Overlay "A1" at 17.92,33.78 h0.8; Top Overlay "VB" at 4.92,33.78 h0.8; Top Overlay "C13" at 7.02,33.78 h0.8; Top Overlay "C14" at 9.72,33.78 h0.8; Top Overlay "C15" at 12.42,33.78 h0.8; Top Overlay "A0" at 15.32,33.78 h0.8; Top Overlay "B1" at 38.32,33.78 h0.8; Top Overlay "B0" at 35.52,33.78 h0.8; Top Overlay "B10" at 40.12,33.78 h0.8; Top Overlay "B11" at 42.92,33.78 h0.8; Top Overlay "R" at 45.92,33.78 h0.8; Top Overlay "3.3" at 47.72,33.78 h0.8; Top Overlay "G" at 51.02,33.78 h0.8; Top Overlay "G" at 53.62,33.78 h0.8
J3: Assembly Notes "B12" at 53.08,0.98 h0.8; Assembly Notes "B13" at 50.48,0.98 h0.8; Assembly Notes "B14" at 47.88,0.98 h0.8; Assembly Notes "B15" at 45.18,0.98 h0.8; Assembly Notes "A8" at 43.08,0.98 h0.8; Assembly Notes "A9" at 40.48,0.98 h0.8; Assembly Notes "A10" at 37.58,0.98 h0.8; Assembly Notes "A11" at 35.28,0.98 h0.8; Assembly Notes "A12" at 32.58,0.98 h0.8; Assembly Notes "A15" at 29.88,0.98 h0.8; Assembly Notes "B3" at 27.78,0.98 h0.8; Assembly Notes "B4" at 25.28,0.98 h0.8; Assembly Notes "B5" at 22.68,0.98 h0.8; Assembly Notes "B6" at 20.18,0.98 h0.8; Assembly Notes "B7" at 17.78,0.98 h0.8; Assembly Notes "B8" at 15.08,0.98 h0.8; Assembly Notes "B9" at 12.48,0.98 h0.8; Assembly Notes "5V" at 9.98,0.98 h0.8; Assembly Notes "G" at 7.78,0.98 h0.8; Assembly Notes "3.3" at 4.48,0.98 h0.8; Top Overlay "B12" at 53.08,0.98 h0.8; Top Overlay "B13" at 50.48,0.98 h0.8; Top Overlay "B14" at 47.88,0.98 h0.8; Top Overlay "B15" at 45.18,0.98 h0.8; Top Overlay "A8" at 43.08,0.98 h0.8; Top Overlay "A9" at 40.48,0.98 h0.8; Top Overlay "A10" at 37.58,0.98 h0.8; Top Overlay "A11" at 35.28,0.98 h0.8; Top Overlay "A12" at 32.58,0.98 h0.8; Top Overlay "A15" at 29.88,0.98 h0.8; Top Overlay "B3" at 27.78,0.98 h0.8; Top Overlay "B4" at 25.28,0.98 h0.8; Top Overlay "B5" at 22.68,0.98 h0.8; Top Overlay "B6" at 20.18,0.98 h0.8; Top Overlay "B7" at 17.78,0.98 h0.8; Top Overlay "B8" at 15.08,0.98 h0.8; Top Overlay "B9" at 12.48,0.98 h0.8; Top Overlay "5V" at 9.98,0.98 h0.8; Top Overlay "G" at 7.78,0.98 h0.8; Top Overlay "3.3" at 4.48,0.98 h0.8
J5: Top Overlay "GND" at 0.76,21.36 h0.7 r270; Top Overlay "CLK" at 0.76,18.76 h0.7 r270; Top Overlay "DIO" at 0.76,16.16 h0.7 r270; Top Overlay "3V3" at 0.76,13.76 h0.7 r270